# Allegro board RK_EVB1_RK3576_LP4XD200P132SD6_V12_20240530YWQ.brd (continued)
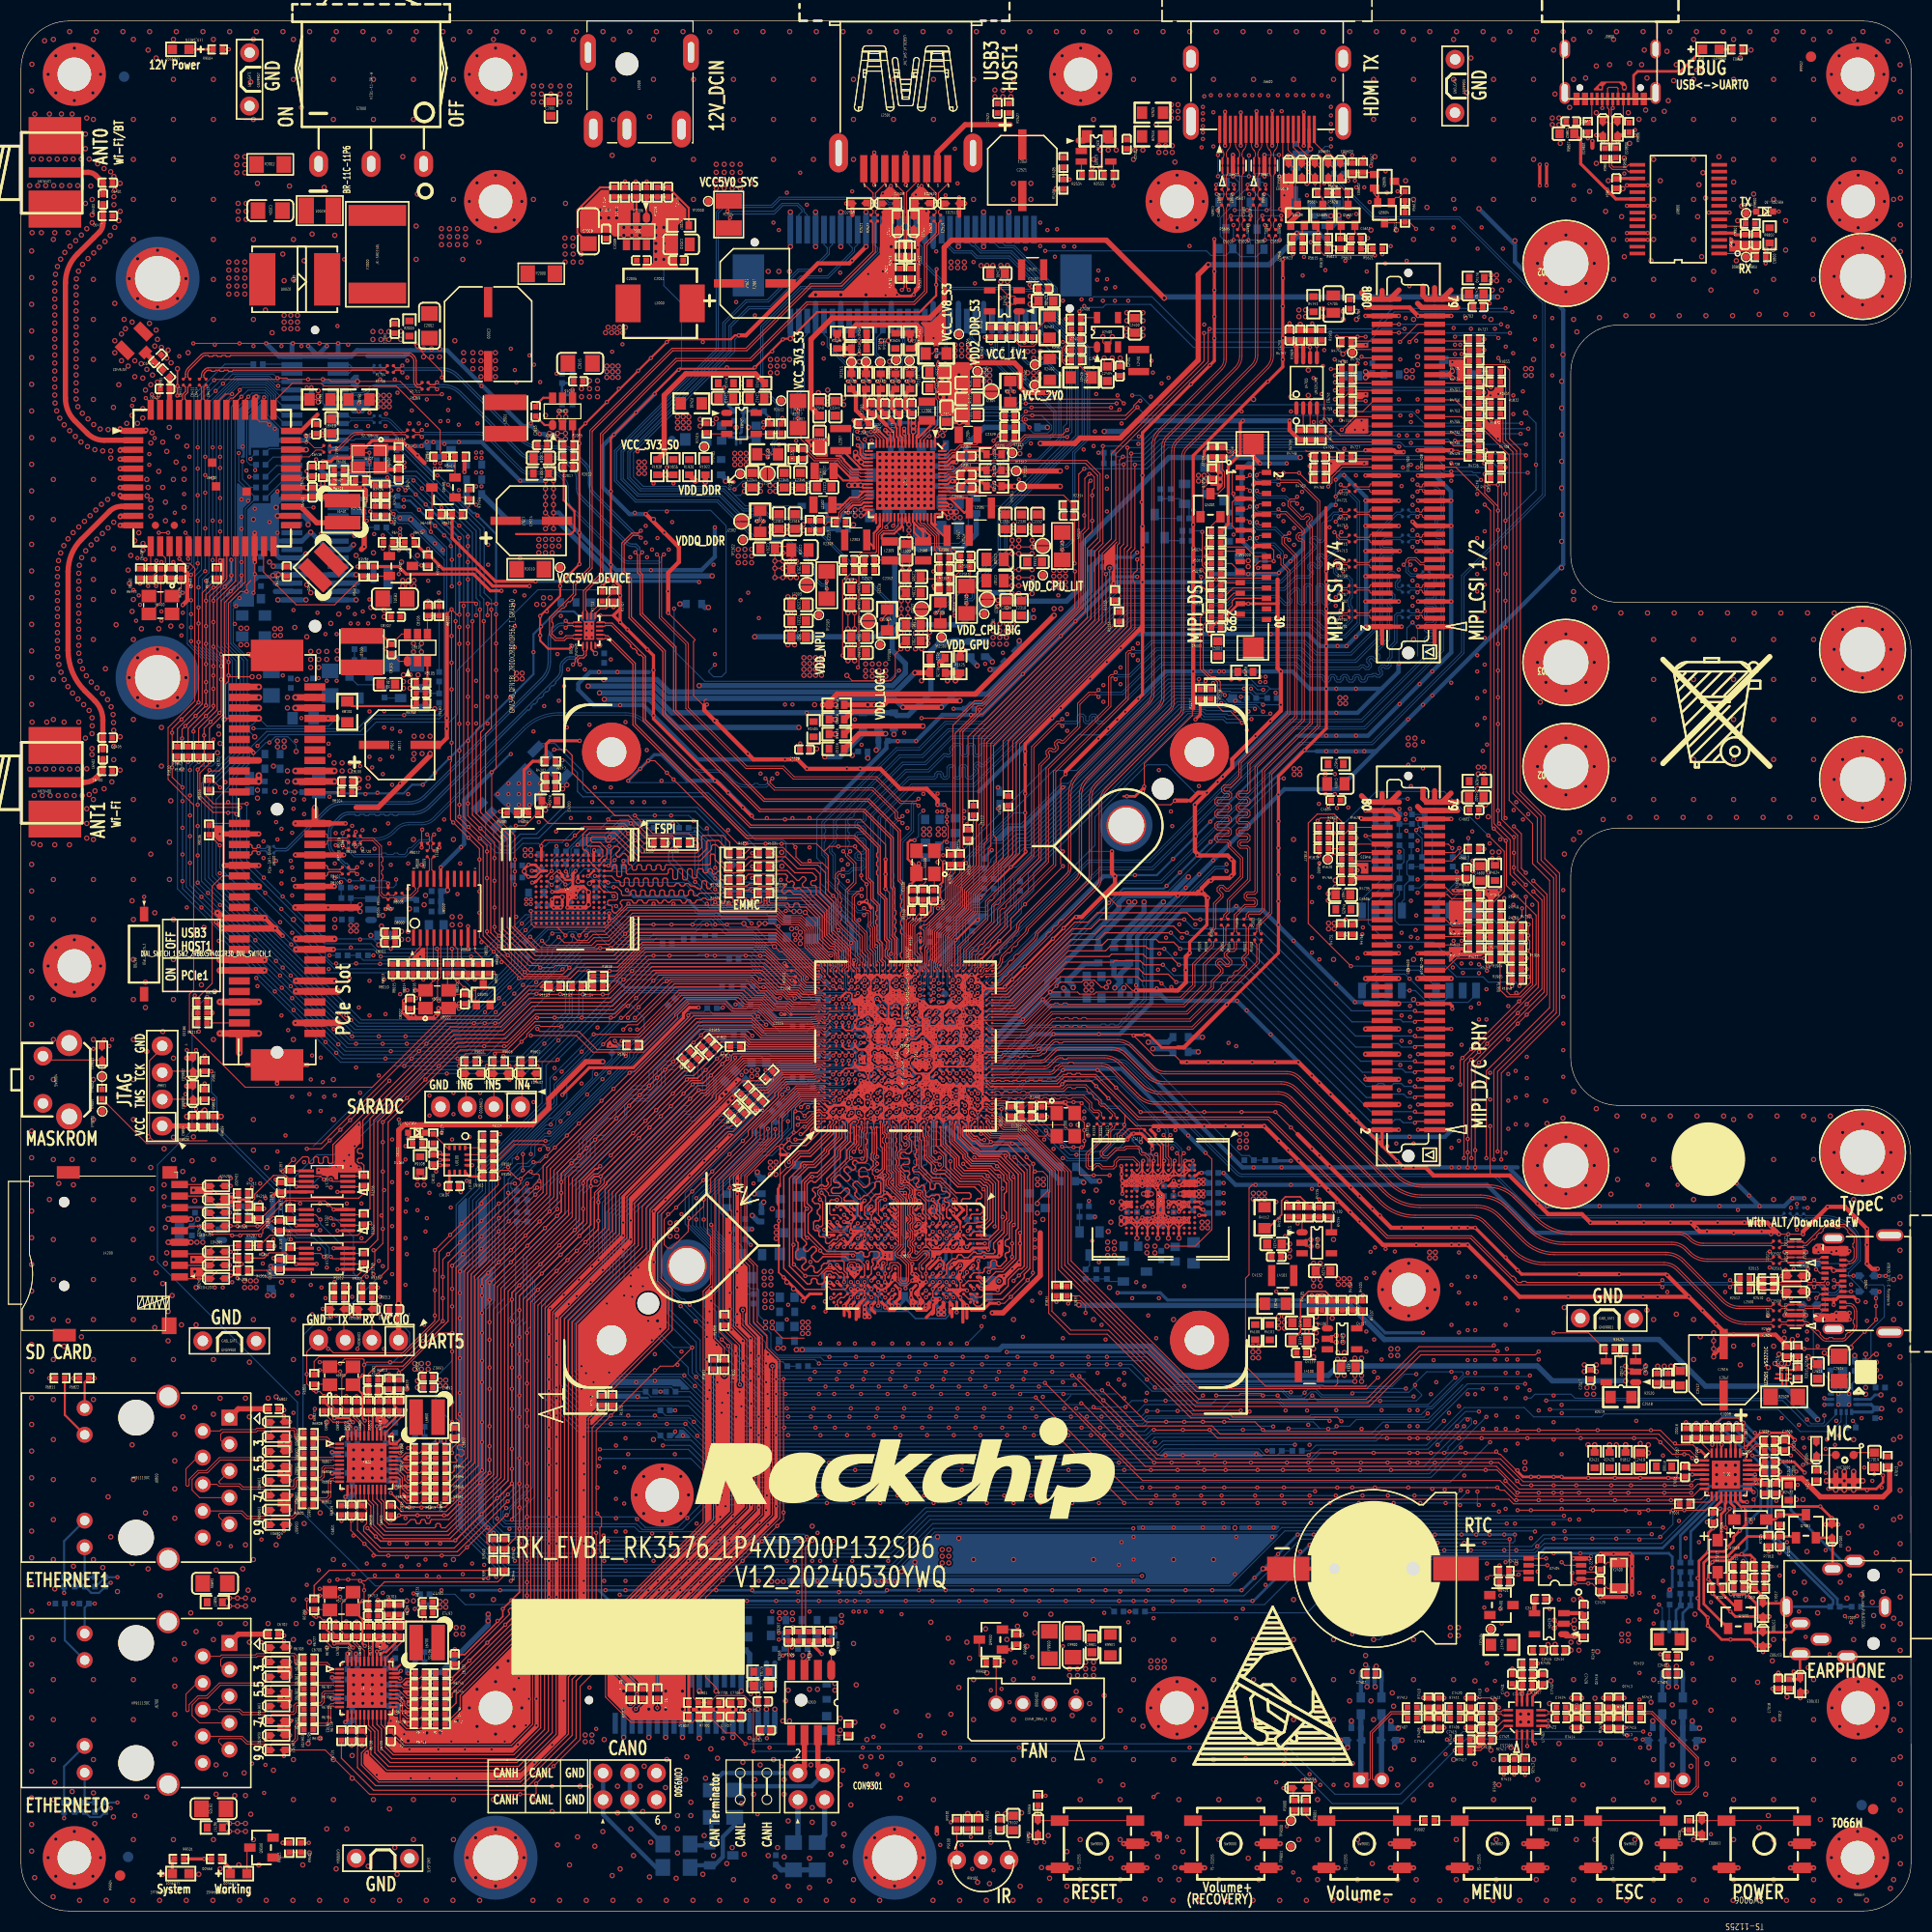
[diagram p0: board, top side]
## Copper pours and planes (outline as drawn; the poured copper is in the pictures) (continued)
VCC_3V3_S0 on BOTTOM: 48.05,97.48 48.68,97.48 48.81,97.35 48.81,95.7 48.68,95.58 48.05,95.58 47.92,95.7 47.92,97.35
VCC_3V3_S0 on BOTTOM: 24.17,59.63 23.41,59.63 23.28,59.51 23.28,58.49 23.41,58.36 24.17,58.36 24.3,58.49 24.3,59.51
VCC_3V3_S0 on BOTTOM: 76.75,27.5 77,27.25 78.27,27.25 78.4,27.38 78.4,28.27 78.27,28.39 76.88,28.39 76.75,28.27
VCC_3V3_S0 on L3-POWER: 56.81,128.98 52.49,124.66 51.6,124.66 50.4,123.45 50.4,121.8 46.4,117.8 46.4,111.26 43.92,108.78 43.92,104.47 47.06,101.32 47.06,99.58 49.06,97.58 49.06,74.87 61.25,62.68 61.25,58.36 71.92,47.7 110.28,47.7 116.75,54.17 120.94,54.17 121.71,54.94 121.71,57.35 121.14,57.92 121.14,69.41 120.69,69.86 120.69,71.7 121.07,72.08 121.07,73.67 124.06,76.65 124.06,94.05 124.12,94.05 124.37,94.31 126.28,94.31 126.53,94.05 126.53,72.97 125.01,71.45 125.01,59.13 127.17,56.97 127.17,54.43 126.53,53.79 126.53,49.98 126.66,49.86 130.98,49.86 135.87,54.74 135.87,60.08 133.77,62.17 133.77,62.94 134.15,63.32 135.93,63.32 136.95,62.3 137.33,62.3 139.74,59.89 139.74,49.35 144.44,44.65 150.03,44.65 150.15,44.52 150.15,43 148.76,41.6 143.68,41.6 143.55,41.47 80.94,41.47 78.65,39.19 78.65,27.5 78.4,27.25 74.97,27.25 74.72,27.5 74.72,30.42 74.34,30.81 71.67,30.81 70.91,31.57 70.91,35.76 37.51,69.16 37.51,96.85 36.87,97.48 36.87,113.1 36.93,113.16 36.93,118.5 37.12,118.69 37.12,118.94 46.9,128.72 50.71,128.72 51.73,129.74 51.73,137.36 54.27,139.9 54.27,146.88 54.78,147.39 59.48,147.39 62.52,144.34 63.54,144.34 63.92,143.96 63.92,139.64 62.78,138.5 58.59,138.5 56.81,136.72
VCC_3V3_S0 on L3-POWER: 24.68,152.22 29.38,152.22 29.63,151.96 29.63,144.09 29,143.45 23.41,143.45 19.98,140.03 19.98,124.53 21.63,122.88 21.63,120.47 21.5,120.34 20.49,120.34 20.23,120.09 20.23,111.58 19.34,110.69 19.34,59.89 20.36,58.87 24.3,58.87 24.42,58.75 24.42,54.81 26.33,52.9 38.78,52.9 39.03,52.65 39.03,51.25 38.65,50.87 37.38,50.87 36.24,49.73 23.66,49.73 14.9,58.49 14.9,114.75 15.92,115.77 15.92,119.32 15.03,120.21 15.03,138.37 16.04,139.39 16.04,139.64 18.46,142.06 18.46,143.45 24.49,149.49 24.49,152.03
VCC_3V3_S0 on L4-SIG: 36.36,52.52 36.24,52.4 36.24,49.35 37.38,48.2 37.38,45.98 38.39,44.97 38.39,38.3 39.28,37.41 39.28,26.23 39.54,25.98 43.73,25.98 43.86,26.11 43.86,40.08 43.54,40.39 43.54,48.39 39.41,52.52
VCC_3V3_S0 on L4-SIG: 134.91,61.92 133.39,61.92 133.07,62.24 133.07,73.79 133.64,74.37 133.64,108.15 133.77,108.28 133.77,125.29 134.79,126.31 134.79,142.82 131.61,145.99 131.61,146.88 131.74,147.01 132.63,147.01 135.93,143.71 135.93,76.14 135.04,75.26 135.04,62.05
VCC_3V3_S0_P on TOP: 64.56,142.57 66.21,142.57 66.46,142.31 67.48,142.31 67.73,142.57 67.73,142.82 67.1,143.45 67.1,144.34 66.84,144.6 64.43,144.6 64.43,144.47 64.3,144.34 64.3,142.82
VCC_3V3_S3 on TOP: 32.68,143.33 32.55,143.45 32.55,144.47 32.68,144.6 35.22,144.6 35.35,144.47 35.35,143.2 35.09,142.95 33.95,142.95 33.57,143.33
VCC_3V3_S3 on TOP: 71.03,142.44 70.91,142.31 69.51,142.31 69.38,142.44 69.38,143.33 69.51,143.45 69.89,143.45 70.27,143.84 70.27,147.01 71.29,148.03 74.59,148.03 74.84,147.77 74.84,143.2 74.72,143.07 73.7,143.07 73.07,142.44
VCC_3V3_S3 on BOTTOM: 108.37,135.07 111.04,135.07 111.93,135.96 113.07,135.96 113.2,136.09 113.2,137.99 113.07,138.12 109.51,138.12 101.39,129.99 101.39,128.98 101.51,128.85 102.15,128.85 106.47,133.17 107.1,133.17 107.99,134.06 107.99,134.69
VCC_3V3_S3 on BOTTOM: 22.52,120.85 24.68,120.85 25.06,121.23 25.06,122.25 24.81,122.5 22.65,122.5 22.52,122.37
VCC_3V3_S3 on BOTTOM: 25.19,109.67 25.44,109.93 25.44,111.45 25.19,111.7 24.17,111.7 24.04,111.58 24.04,109.8 24.17,109.67
VCC_3V3_S3 on BOTTOM: 22.52,64.33 21.38,64.33 21.25,64.21 21.25,60.65 21,60.4 21,59.25 21.25,59 22.52,59 22.65,59.13 22.65,64.21
VCC_3V3_S3 on L3-POWER: 67.48,7.69 80.94,7.69 81.57,8.33 85.38,8.33 86.02,7.69 163.74,7.69 166.28,10.23 166.28,29.15 177.97,40.84 177.97,47.82 177.59,48.2 174.79,48.2 174.67,48.08 174.67,45.79 161.46,32.58 161.46,14.17 158.79,11.5 73.83,11.5 73.32,12.01 68.24,12.01 63.16,17.09 53.63,17.09 53.38,16.84 53.38,14.68 53.63,14.42 60.75,14.42
VCC_3V3_S3 on L3-POWER: 62.78,144.47 59.6,147.65 54.65,147.65 54.52,147.77 54.52,150.44 56.3,152.22 62.91,152.22 66.08,149.04 72.81,149.04 73.45,148.41 73.45,144.72 73.19,144.47
VCC_3V3_S3 on L3-POWER: 23.66,59.13 23.79,59.25 23.79,64.21 23.92,64.33 23.92,94.69 23.85,94.75 25.31,96.21 25.31,125.55 23.41,127.45 23.41,131.39 24.04,132.02 24.04,140.03 24.74,140.72 28.17,140.72 28.23,140.79 34.97,140.79 35.6,141.42 35.6,144.22 34.97,144.85 30.77,144.85 29.25,143.33 23.54,143.33 20.23,140.03 20.23,124.66 21.88,123.01 21.88,120.34 21.76,120.21 20.49,120.21 20.23,119.96 20.23,111.32 19.34,110.43 19.34,59.89 20.11,59.13
VCC_3V3_S3 on L4-SIG: 75.48,165.04 98.97,165.04 99.55,164.47 102.97,164.47 103.67,163.77 103.67,160.35 114.34,149.68 114.34,137.23 114.21,137.23 113.83,136.85 113.83,135.96 113.45,135.58 111.17,135.58 110.91,135.83 110.91,145.61 107.36,149.17 107.36,152.47 106.47,153.36 106.47,154 98.85,161.62 69,161.62 57.44,150.06 38.39,150.06 35.98,147.65 35.98,145.49 35.47,144.98 35.47,143.07 32.04,143.07 31.54,143.58 31.54,150.69 35.73,154.88 58.33,154.88 60.24,156.79 61.25,156.79 61.89,157.42 61.89,162.12 65.32,165.55 65.32,166.31 66.46,167.46 73.07,167.46
VCC_3V3_S3 on L4-SIG: 20.87,60.02 20.87,58.36 26.58,52.65 39.28,52.65 43.73,48.2 43.73,47.82 51.22,40.33 51.22,14.42 51.6,14.04 54.14,14.04 55.16,15.06 55.16,23.95 54.52,24.58 54.52,38.81 37.32,56.01 27.54,56.01 23.28,60.27 21.12,60.27
VCC_3V3_S3 on L4-SIG: 177.52,47.51 177.21,47.19 176.19,47.19 174.67,48.71 174.67,51.38 174.41,51.63 174.41,53.03 174.54,53.16 175.17,53.16 175.3,53.03 175.3,52.27 176.51,51.06 176.51,48.65 176.95,48.2 177.21,48.2 177.52,47.89
VCC_3V3_S3_P on TOP: 167.17,159.2 167.05,159.33 166.03,159.33 165.78,159.08 165.78,158.19 165.9,158.06 167.05,158.06 167.17,158.19
VCC_3V3_S3_P on TOP: 78.91,141.93 78.91,141.68 79.16,141.42 79.16,140.91 79.03,140.79 76.88,140.79 76.49,140.41 73.19,140.41 73.07,140.53 73.07,141.8 73.19,141.93 74.21,141.93 74.34,142.06 74.34,142.44 74.72,142.82 78.02,142.82
VCC_CAN on TOP: 74.21,22.04 74.97,22.04 74.97,23.95 75.22,24.2 75.22,24.46 74.97,24.71 74.46,24.71 74.21,24.46
VCC_CAN on BOTTOM: 74.34,24.07 75.35,24.07 76.75,25.47 77.51,25.47 77.89,25.85 77.89,26.61 76.75,26.61 76.49,26.87 76.49,27.88 76.24,28.14 75.48,28.14 75.35,28.01 75.35,25.73 74.97,25.34 74.59,25.34 74.59,24.58 74.46,24.46 74.34,24.46
VCC_IR on TOP: 95.16,4.14 94.66,3.63 93.77,3.63 93.13,4.26 93.13,6.55 92.62,7.06 91.23,7.06 90.85,7.44 90.85,8.07 95.04,8.07 95.16,7.95
VCC_RTC on TOP: 143.93,31.82 143.04,31.82 142.92,31.69 141.52,31.69 141.39,31.57 141.39,28.77 141.52,28.65 142.66,28.65 142.79,28.77 142.79,29.92 144.06,31.19 144.06,31.69
VCC_SPK_AMP on TOP: 128.69,23.31 128.69,23 128.7,23 128.7,22.24 128.69,22.24 128.69,21.28 128.95,21.03 129.45,21.03 129.83,21.41 129.83,23.31 129.58,23.57 128.95,23.57
VCC_SPK_AMP on TOP: 158.41,21.03 157.52,21.03 157.39,21.15 157.39,22.24 157.4,22.24 157.4,23 157.39,23 157.39,23.85 157.4,23.86 157.4,26.61 157.52,26.73 157.52,26.74 158.41,26.74 158.66,26.49 158.66,21.28
VCC_SPK_AMP on L3-POWER: 129.96,21.03 128.76,21.03 128.56,21.22 128.56,23.95 128.82,24.2 157.65,24.2 158.03,23.82 158.03,21.15 157.65,20.77 155.23,20.77 153.58,22.42 131.36,22.42
VCC_UFS_S0 on TOP: 121.45,55.19 119.67,55.19 119.55,55.32 119.55,58.36 119.67,58.49 121.45,58.49 121.58,58.36 121.58,55.32
VCC_UFS_S0 on BOTTOM: 104.43,66.87 104.43,67.64 104.56,67.76 107.86,67.76 108.12,67.51 109.9,67.51 110,67.61 110.06,67.62 110.11,67.64 110.4,67.64 110.53,67.51 110.53,66.49 110.4,66.37 109.43,66.37 109.35,66.39 109.28,66.4 109.21,66.39 109.13,66.37 107.93,66.37 107.85,66.39 107.78,66.4 107.71,66.39 107.63,66.37 106.93,66.37 106.85,66.39 106.78,66.4 106.71,66.39 106.63,66.37 106.47,66.37 106.34,66.24 105.91,66.24 105.72,66.24 105.2,66.24 104.82,66.62 104.69,66.62
VCC_UFS_S0 on L3-POWER: 104.31,67.38 104.31,64.97 107.86,61.41 109.64,61.41 116.12,54.94 120.18,54.94 120.56,55.32 120.56,56.84 113.01,64.4 112.37,64.4 110.53,66.24 110.53,67.64 110.4,67.76 104.69,67.76
VCCA1V8_PLDO6_S3 on TOP: 87.04,119.58 87.04,117.8 86.91,117.67 84.88,117.67 84.88,118.05 85,118.18 85.89,118.18 86.15,118.44 86.15,119.58 86.27,119.71 86.91,119.71
VCCA1V8_PLDO6_S3 on BOTTOM: 72.56,54.68 71.92,54.68 71.8,54.55 71.8,53.67 72.18,53.28 72.68,53.28 72.81,53.41 72.81,53.79 72.68,53.92 72.68,54.55
VCCA3V3_CODEC on TOP: 167.43,40.46 167.68,40.2 168.7,40.2 168.82,40.33 168.82,40.71 168.7,40.84 167.68,40.84 167.3,41.22 165.65,41.22 165.52,41.35 165.14,41.35 165.01,41.22 165.01,40.58 165.14,40.46
VCCA_1V8_S0 on TOP: 93,136.7 93,137.36 93.26,137.61 99.1,137.61 99.35,137.36 99.35,136.98 98.97,136.6 93.11,136.6
VCCA_1V8_S0 on BOTTOM: 87.04,119.71 87.8,120.47 92.12,120.47 92.24,120.59 92.24,122.63 92.5,122.88 94.66,122.88 94.78,123.01 94.78,123.64 94.66,123.77 93.64,123.77 93.51,123.9 93.51,124.91 93.26,125.17 92.62,125.17 89.58,122.12 88.05,122.12 86.27,120.34 86.27,116.78 83.92,114.43 83.54,114.43 83.48,114.5 78.27,114.5 78.15,114.37 78.15,113.74 78.27,113.61 83.23,113.61 83.73,113.1 84.37,113.1 87.04,115.77
VCCA_1V8_S0 on L4-SIG: 93.39,133.55 94.27,134.44 94.27,137.49 93.89,137.87 93.26,137.87 93.13,137.74 93.13,136.72 93,136.6 92.5,136.6 92.12,136.22 92.12,134.44 91.35,133.68 91.35,125.55 91.42,125.48 91.42,124.34 91.8,123.96 93.2,123.96 93.39,124.15
VCCA_1V8_S0_P on TOP: 92.36,136.86 92.19,136.7 91.58,136.7 91.38,136.89 91.38,136.9 91.29,137.05 91.15,137.14 89.99,137.14 89.83,136.98 89.83,136.47 89.19,136.47 89.19,136.98 89.96,137.74 92.12,137.74 92.36,137.5
VCCA_3V3_S0 on TOP: 167.93,39.57 167.81,39.44 167.81,38.93 167.93,38.81 169.84,38.81 169.97,38.93 169.97,39.44 169.84,39.57
VCCIO0_1V8 on L4-SIG: 81.7,86.81 81.7,87.07 81.45,87.32 81.45,90.24 80.05,91.64 80.05,92.53 79.99,92.59 79.99,93.23 78.91,94.31 78.91,96.21 78.4,96.72 78.27,96.72 78.27,94.18 79.29,93.16 79.29,91.51 80.94,89.86 80.94,87.32 81.45,86.81
VCCIO1 on L4-SIG: 79.54,83.13 79.67,83 80.05,83 80.18,83.13 80.18,83.76 80.05,83.89 73.57,83.89 73.07,84.4 72.56,84.4 72.56,84.15 73.57,83.13
VCCIO2 on TOP: 153.2,44.65 152.57,44.65 152.44,44.52 152.44,43.25 153.2,43.25 153.33,43.38 153.33,44.52
VCCIO2 on TOP: 66.59,30.55 66.59,27.38 66.84,27.12 67.48,27.12 67.86,27.5 67.86,29.92 74.84,36.9 74.84,53.67 74.72,53.79 73.57,53.79 73.45,53.67 73.45,37.41
VCCIO2 on BOTTOM: 63.29,27.38 63.29,27.12 63.41,27 68.11,27 68.24,27.12 68.24,28.27 64.18,28.27
VCCIO2 on L4-SIG: 80.05,79.45 80.05,79.83 79.54,80.34 73.83,80.34 72.68,79.19 72.68,78.94 72.81,78.81 73.7,78.81 74.34,79.45
VCCIO3 on BOTTOM: 43.47,135.2 43.47,134.56 46.14,131.9 51.09,131.9 56.17,126.82 65.95,126.82 66.08,126.94 66.08,127.33 65.83,127.58 56.17,127.58 50.97,132.79 46.65,132.79 44.24,135.2
VCCIO3 on L4-SIG: 80.69,85.16 80.56,85.16 80.43,85.03 80.43,84.78 80.3,84.65 80.3,84.4 80.18,84.27 76.49,84.27 74.34,86.43 71.54,86.43 71.41,86.3 71.41,85.92 73.32,84.02 76.24,84.02 76.49,83.76 80.81,83.76 81.19,84.15 81.19,84.65
VCCIO4 on L4-SIG: 80.18,82.88 80.18,82.37 80.05,82.24 73.45,82.24 73.38,82.3 72.49,82.3 69.26,85.54 66.97,85.54 66.59,85.92 66.59,92.02 66.84,92.02 67.29,91.57 67.29,89.42 73.7,83 80.05,83
VCCIO5 on L4-SIG: 80.05,81.99 77.38,81.99 77.26,82.11 72.18,82.11 69.51,84.78 69.38,84.78 68.87,85.29 66.59,85.29 65.45,86.43 64.3,86.43 64.18,86.3 64.18,85.92 65.95,84.15 68.11,84.15 70.91,81.35 80.05,81.35
VCCIO6 on L4-SIG: 91.73,79.83 91.86,79.7 97.96,79.7 98.47,80.21 98.47,80.34 88.69,80.34 88.37,80.02 88.56,79.83
VCCIO7_VCC on L4-SIG: 91.35,78.68 91.73,79.07 95.54,79.07 95.8,79.32 95.8,79.45 91.86,79.45 91.61,79.7 88.31,79.7 88.31,79.95 87.92,80.34 87.8,80.34 87.67,80.21 87.67,79.95 87.54,79.83 87.54,79.57 87.67,79.45 87.8,79.45 88.05,79.19 88.05,78.81 88.18,78.68
VCCIO_AUDIO on TOP: 156.12,41.85 156.12,42.74 155.87,43 143.17,43 143.04,42.87 143.04,42.11 143.3,41.85
VCCIO_CODEC on TOP: 156.89,41.85 159.43,41.85 159.43,42.49 159.04,42.87 156.89,42.87 156.76,42.74 156.76,41.98
VCCIO_FT232 on TOP: 162.73,159.84 163.24,159.33 165.39,159.33 165.9,159.84 166.92,159.84 167.05,159.96 167.05,160.6 166.54,161.11 165.01,161.11 164.89,160.98 164.89,160.22 164.63,159.96 162.85,159.96
VCCIO_PHY0 on BOTTOM: 37.18,24 37.84,24 37.86,23.97 37.86,23.31 37.89,23.31 37.89,23.11 37.86,23.11 37.86,22.35 37.89,22.35 37.89,22.12 37.86,22.12 37.86,21.36 37.89,21.36 37.89,21.08 37.86,21.08 37.86,20.32 37.89,20.32 37.89,20.11 37.86,20.11 37.86,19.35 37.89,19.35 37.89,19.15 37.86,19.15 37.86,18.39 37.89,18.39 37.89,18.18 37.86,18.18 37.86,17.45 37.76,17.34 36.36,17.34 35.06,16.04 34.98,15.98 34.91,15.9 34.46,15.44 32.3,15.44 32.17,15.57 32.17,15.82 32.43,16.07 34.08,16.07 36.36,18.36 36.36,18.94 36.38,19 36.38,19.06 36.38,19.16 36.4,19.21 36.4,19.25 36.4,19.8 36.39,19.86 36.37,19.91 36.36,19.92 36.36,20.01 36.24,20.14 35.6,20.14 35.6,22.04 35.85,22.3 36.75,22.3 36.81,22.28 36.87,22.28 37.12,22.38 37.22,22.63 37.2,22.76 37.12,22.87 37.12,23.95
VCCIO_PHY1 on BOTTOM: 37.18,45.46 37.84,45.46 37.86,45.44 37.86,44.77 37.89,44.77 37.89,44.57 37.86,44.57 37.86,43.81 37.89,43.81 37.89,43.59 37.86,43.59 37.86,42.82 37.89,42.82 37.89,42.54 37.86,42.54 37.86,41.78 37.89,41.78 37.89,41.58 37.86,41.58 37.86,40.81 37.89,40.81 37.89,40.61 37.86,40.61 37.86,39.85 37.89,39.85 37.89,39.65 37.86,39.65 37.86,38.91 37.76,38.81 36.24,38.81 34.33,36.9 32.3,36.9 32.17,37.03 32.17,37.28 32.43,37.54 34.08,37.54 36.36,39.82 36.36,40.4 36.38,40.47 36.38,40.53 36.38,40.62 36.4,40.67 36.4,40.72 36.4,41.27 36.39,41.32 36.37,41.37 36.36,41.39 36.36,41.47 36.24,41.6 35.6,41.6 35.6,43.51 35.85,43.76 36.75,43.76 36.81,43.74 36.87,43.74 37.12,43.84 37.22,44.09 37.2,44.22 37.12,44.34 37.12,45.41
VCCIO_SD_S0 on TOP: 94.45,139.44 95.37,139.44 95.54,139.26 95.54,138.37 94.91,138.37 94.88,138.35 93.03,138.35 93,138.37 93,138.37 93,139.01 93.26,139.26 94.27,139.26
VCCIO_SD_S0 on BOTTOM: 76.24,21.92 76.37,22.04 77.64,22.04 77.89,21.79 77.89,21.03 77.64,20.77 76.62,20.77 76.24,21.15
VCCIO_SD_S0 on L3-POWER: 68.49,26.36 48.68,46.17 48.68,48.71 39.28,58.11 34.84,58.11 34.58,57.86 34.58,54.17 35.35,53.41 39.66,53.41 43.47,49.6 43.47,46.05 67.99,21.53 75.73,21.53 76.62,20.65 77.51,20.65 77.76,20.9 77.76,24.58 75.99,26.36
VCCIO_SD_S0_P on TOP: 92.34,138.88 92.34,138.25 92.32,138.22 91.61,138.22 91.39,138.44 91.4,138.5 91.41,138.56 91.34,138.79 91.15,138.94 91.14,138.95 91.07,139.01 90.87,139.01 90.81,139.04 90.76,139.04 90.21,139.04 90.16,139.04 90.1,139.01 90.06,139.01 89.99,138.94 89.91,138.94 89.91,138.86 89.8,138.76 89.8,138.25 89.51,138.25 89.47,138.29 89.42,138.33 88.73,138.33 88.69,138.37 88.69,138.5 89.58,139.39 91.84,139.39
VCCIO_WL on TOP: 33.57,136.72 35.35,136.72 35.6,136.98 36.49,136.98 36.74,137.23 36.74,138.5 36.49,138.76 35.73,138.76 34.97,137.99 33.7,137.99 33.57,137.87
VCCIO_WL on BOTTOM: 23.54,129.36 24.68,128.21 24.68,127.96 24.55,127.83 24.04,127.83 23.66,127.45 22.65,127.45 22.52,127.58 22.52,129.23 22.65,129.36
VCCIO_WL on BOTTOM: 40.17,138.76 38.52,138.76 38.39,138.63 38.39,138.12 39.41,137.1 40.05,137.1 41.95,135.2 41.95,134.69 42.08,134.56 42.71,134.56 42.84,134.69 42.84,138.12 42.71,138.25 40.68,138.25
VCCIO_WL on L3-POWER: 26.96,139.39 28.23,139.39 28.36,139.26 28.36,138.63 28.49,138.5 34.33,138.5 35.35,139.52 39.79,139.52 40.3,139.01 40.3,137.36 36.49,133.55 33.95,133.55 33.57,133.93 31.03,133.93 24.81,127.71 23.66,127.71 23.41,127.96 23.41,131.14 26.65,134.37 26.65,137.29 26.84,137.49 26.84,139.26
VDD1_1V8_DDR_S3 on BOTTOM: 75.22,56.21 75.1,56.33 74.59,56.33 74.21,56.71 74.21,57.35 74.08,57.48 73.32,57.48 73.32,54.05 73.45,53.92 74.59,53.92 75.22,54.55
VDD1_1V8_DDR_S3 on L3-POWER: 87.42,63.6 86.69,63.6 86.44,63.35 86.44,62.39 86.91,61.92 89.83,61.92 90.72,61.03 90.72,60.52 91.42,59.82 91.42,57.92 90.08,56.59 87.29,56.59 86.65,57.22 86.65,57.8 86.44,58.02 85.35,58.02 85.31,57.98 85.26,57.98 85.13,58.11 85.13,59.25 84.37,60.02 84.37,64.59 84.91,65.13 85.67,65.13 86.4,65.86 86.65,65.86 86.78,65.98 87.04,65.98 87.29,66.24 87.29,67.25 87.42,67.38 88,67.38 88.18,67.2 88.18,66.75 88.43,66.49 88.56,66.49 88.69,66.37 88.69,64.33 88.2,63.84 87.65,63.84
VDD1_1V8_DDR_S3 on L3-POWER: 80.22,63.48 80.22,61.5 80.43,61.29 81.7,61.29 82.12,60.86 82.12,57.98 81.83,57.69 81.83,57.35 80.56,56.08 76.88,56.08 76.11,56.84 76.11,59.13 76.49,59.51 77,59.51 77.26,59.76 77.26,60.14 77.38,60.27 77.38,60.78 77.13,61.03 76.75,61.03 75.73,62.05 75.73,63.19 76.37,63.83 77,63.83 77.26,64.08 77.26,65.73 78.53,67 78.53,67.13 78.91,67.51 81.19,67.51 81.45,67.25 81.45,66.24 80.94,65.73 80.94,65.48 81.45,64.97 81.45,64.71 81.6,64.56 81.73,64.56 81.96,64.33 81.96,63.95 81.83,63.83 81.32,63.83 81.07,63.57 80.31,63.57
VDD1_1V8_DDR_S3 on L4-SIG: 79.96,57.13 79.96,57.51 80.22,57.76 80.3,57.76 81.35,56.71 86.27,56.71 87.04,57.48 88.18,57.48 88.18,55.7 87.16,54.68 74.21,54.68 74.08,54.81 74.08,56.21 74.21,56.33 79.17,56.33
VDD2_DDR_S3 on TOP: 94.39,147.15 94.78,146.76 94.78,145.23 93.64,145.23 93.26,144.85 90.82,144.85 90.58,145.09 90.58,146.63 91.1,147.15
VDD2_DDR_S3 on BOTTOM: 83.46,59.27 83.61,59.41 84.79,59.41 85.17,59.03 85.17,57.64 85.04,57.51 84.75,57.51 84.53,57.73 84.08,57.73 83.86,57.51 83.61,57.51 83.46,57.65
VDD2_DDR_S3 on BOTTOM: 87.71,62.08 87.71,63.35 87.58,63.48 86.82,63.48 86.69,63.35 86.69,63.1 86.82,62.97 86.82,62.46 87.33,61.95 87.58,61.95
VDD2_DDR_S3 on BOTTOM: 81.96,63.19 81.74,62.97 81.49,62.97 81.36,63.1 81.36,63.35 81.49,63.48 81.49,63.73 81.36,63.86 81.32,63.86 81.32,64.33 80.94,64.33 80.81,64.21 80.81,63.44 80.47,63.1 80.47,61.96 80.43,61.92 80.43,61.41 80.69,61.16 80.81,61.16 81.19,61.54 82.21,61.54 82.34,61.67 82.34,61.79 81.96,62.17 81.96,62.43 82.59,63.06 82.59,63.32 82.46,63.44 82.21,63.44 81.96,63.19
VDD2_DDR_S3 on BOTTOM: 69.17,59.89 69.17,61.07 69.26,61.16 71.54,61.16 71.8,60.9 71.8,59.51 71.67,59.38 70.4,59.38 70.14,59.63 69.42,59.63
VDD2_DDR_S3 on L3-POWER: 72.56,55.19 72.56,58.49 71.8,59.25 69.13,59.25 69,59.38 69,68.14 69.38,68.52 73.95,68.52 75.35,69.92 77,69.92 78.15,71.06 85.36,71.06 85.37,71.05 90.1,71.05 92.5,68.65 98.02,68.65 103.16,73.79 104.18,73.79 112.44,82.05 112.44,95.83 115.23,98.62 115.23,129.99 109.64,135.58 97.2,135.58 93.45,139.33 93.45,140.6 91.48,142.57 91.48,146.88 91.61,147.01 94.27,147.01 99.1,142.18 119.93,142.18 123.23,138.88 123.23,120.85 122.21,119.83 122.21,96.72 119.17,93.67 119.17,79.95 112.31,73.1 109.77,73.1 109.26,72.59 109.26,72.08 107.29,70.11 107.17,70.11 106.97,69.92 106.85,69.92 105.45,68.52 104.56,68.52 103.67,67.64 103.67,66.11 91.73,54.17 73.57,54.17
VDD2_DDR_S3_P on TOP: 90.57,141.8 90.57,144.47 90.69,144.6 93.26,144.6 93.64,144.22 94.78,144.22 94.91,144.09 94.91,143.2 94.78,143.07 94.27,143.07 94.02,142.82 94.02,141.17 93.89,141.04 93.14,141.04 91.87,139.77 90.72,139.77 90.59,139.9 90.59,141.78
VDD2_LP4_S0 on BOTTOM: 70.02,62.94 70.02,62.05 70.14,61.92 72.68,61.92 72.81,62.05 72.81,63.19 72.56,63.44 70.53,63.44
VDD10_PHY0 on TOP: 40.55,23.95 40.3,23.69 39.28,23.69 38.99,23.98 38.99,29.63 39.16,29.79 40.55,29.79 40.74,29.6 40.74,28.71 40.55,28.52
VDD10_PHY0 on L3-POWER: 36.24,18.61 35.47,18.61 35.22,18.87 35.22,23.31 40.05,28.14 40.05,28.27 39.79,28.27 34.58,23.06 31.16,23.06 31.03,22.93 31.03,19.25 30.9,19.12 29.63,19.12 29.12,19.63 29.12,23.95 31.03,25.85 34.58,25.85 38.52,29.79 40.68,29.79 41.44,29.03 41.44,27.88 36.62,23.06 36.62,18.99
VDD10_PHY1 on TOP: 40.55,45.41 40.43,45.28 39.16,45.28 38.99,45.45 38.99,51.09 39.16,51.25 40.17,51.25 40.81,50.62 40.81,49.73 40.55,49.47
VDD10_PHY1 on L3-POWER: 36.24,40.08 35.47,40.08 35.22,40.33 35.22,44.78 40.05,49.6 40.05,49.73 39.79,49.73 34.58,44.52 31.28,44.52 31.03,44.27 31.03,40.71 30.9,40.58 29.76,40.58 29.12,41.22 29.12,45.41 31.54,47.82 35.47,47.82 37.12,49.47 37.89,49.47 39.66,51.25 40.68,51.25 41.44,50.49 41.44,49.35 36.62,44.52 36.62,40.46
VDD_0V75_S3 on TOP: 79.42,146.12 78.65,146.12 78.65,148.41 78.53,148.53 77.38,148.53 77.26,148.66 77.26,149.17 77.38,149.3 79.42,149.3 79.54,149.17 79.54,146.25
VDD_0V75_S3_P on TOP: 78.76,144.98 79.01,145.23 79.52,145.23 79.64,145.11 79.64,143.33 79.7,143.28 79.7,143.24 80.53,142.4 80.53,142.36 80.59,142.22 80.74,142.16 80.78,142.16 80.81,142.13 80.84,142.13 80.9,142.07 81.17,142.07 81.95,141.29 81.95,141.21 81.92,141.12 81.91,141.04 81.94,140.89 82.03,140.76 82.36,140.43 82.37,140.38 82.32,140.35 82.26,140.35 81.21,141.4 81.13,141.45 81.03,141.47 80.41,141.47 80.41,141.8 80.4,141.81 80.4,142.03 80.27,142.03 80.23,142.08 80.16,142.11 79.81,142.47 79.73,142.53 79.65,142.57 79.64,142.57 79.16,143.05 79.16,143.71 78.76,144.11
VDD_CPU_BIG_S0 on TOP: 92.62,124.79 92.62,124.02 92.88,123.77 95.8,123.77 95.8,122.25 95.42,121.86 94.78,121.86 94.24,121.32 94.24,120.63 93.96,120.34 89.83,120.34 89.25,120.92 89.25,124.2 89.32,124.28 90.34,124.28 90.85,124.79
VDD_CPU_BIG_S0 on BOTTOM: 89.45,102.18 89.58,102.31 89.58,103.07 89.32,103.32 87.16,103.32 87.04,103.2 87.04,100.91 87.8,100.91 87.8,101.93 88.05,102.18
VDD_CPU_BIG_S0 on BOTTOM: 86.58,82.17 86.65,82.24 86.91,82.24 87.04,82.37 87.04,82.62 86.66,83 86.66,83.38 86.4,83.64 86.02,83.64 85.9,83.51 85.9,83.26 85.51,82.88 84.88,82.88 84.24,82.24 84.24,82.24 84.12,82.11 84.11,82.11 83.86,81.86 83.86,81.61 83.86,81.61 84.62,81.61 84.68,81.66 85.31,81.66 85.82,82.17
VDD_CPU_BIG_S0 on L3-POWER: 91.48,82.49 86.91,82.49 86.65,82.24 86.27,82.24 85.51,81.48 85.13,81.48 84.88,81.22 83.61,81.22 83.61,81.23 83.48,81.35 83.48,81.35 83.48,82.62 83.61,82.75 84.24,82.75 84.75,83.26 84.75,85.92 85.38,86.56 85.38,89.61 86.78,91 86.78,101.54 87.16,101.93 87.16,103.7 86.78,104.08 86.78,115.26 86.85,115.32 86.85,119.71 87.04,119.9 87.04,122.63 87.16,122.63 87.29,122.75 95.67,122.75 96.31,122.12 96.31,99.39 94.77,97.85 94.77,85.78
VDD_CPU_BIG_S0_P on TOP: 92.5,125.04 90.85,125.04 90.46,125.42 89.32,125.42 89.17,125.57 89.17,126.92 89.7,127.45 89.96,127.45 90.08,127.58 90.08,129.87 89.96,129.99 89.96,132.02 92.37,132.02 92.5,131.9
VDD_CPU_LIT_S0 on TOP: 99.99,129.36 99.99,126.06 99.61,125.67 96.94,125.67 96.81,125.8 96.81,129.87 98.59,129.87 99.1,129.36
VDD_CPU_LIT_S0 on BOTTOM: 86.53,80.72 87.04,81.22 87.04,81.48 86.91,81.61 86.78,81.61 86.53,81.35 85.9,81.35 85.77,81.22 85.13,81.22 85.01,81.1 85.01,80.97 85.26,80.72 85.38,80.72 85.77,80.34 85.77,80.34 85.89,80.21 86.27,80.21 86.4,80.08 87.04,80.08 87.04,80.21
VDD_CPU_LIT_S0 on BOTTOM: 102.02,89.35 101.13,89.35 100.88,89.1 100.88,86.81 101.01,86.69 102.02,86.69 102.28,86.94 102.28,89.1
VDD_CPU_LIT_S0 on L3-POWER: 85,80.97 85,81.1 85.26,81.35 86.02,81.35 86.15,81.48 86.15,81.86 86.4,82.11 91.73,82.11 95.16,85.54 95.16,97.61 96.88,99.32 96.88,127.71 97.13,127.96 103.93,127.96 106.85,125.04 106.85,109.29 102.28,104.72 102.28,84.78 96.69,79.19 89.45,79.19 89.32,79.32 88.81,79.32 87.92,80.21 86.53,80.21 85.89,80.84 85.13,80.84
VDD_CPU_LIT_S0_P on TOP: 91.99,134.56 92.12,134.69 98.4,134.69 99.23,134.69 99.61,134.31 99.61,132.66 99.99,132.28 99.99,130.63 99.1,130.63 98.61,130.14 96.81,130.14 96.81,130.88 96.93,131 97.26,131 97.3,131 97.33,131.01 97.45,131.01 97.58,131.14 97.58,132.28 97.45,132.41 92.12,132.41 91.99,132.53
VDD_DDR_S0 on TOP: 70.91,137.87 70.91,136.47 70.78,136.34 68.24,136.34 67.73,136.85 67.73,139.14 67.99,139.39 70.53,139.39 70.65,139.26 70.65,138.12
VDD_DDR_S0 on BOTTOM: 83.73,80.14 82.77,80.14 82.39,79.76 82.46,79.69 82.46,79.58 82.59,79.45 84.62,79.45 84.63,79.45 85.01,79.45 85.12,79.56 85.12,79.83 85,79.95 84.62,79.95 84.5,79.83 83.99,79.83 83.73,80.08
VDD_DDR_S0 on BOTTOM: 97.58,69.92 96.69,69.92 95.54,68.78 95.54,67.89 98.08,67.89 98.21,68.02 98.21,68.52 97.83,68.91 97.83,69.67
VDD_DDR_S0 on L3-POWER: 85.13,77.03 85.38,77.29 85.38,79.19 85.13,79.45 82.59,79.45 82.46,79.57 82.46,79.95 82.59,80.08 82.59,80.46 82.84,80.72 82.85,80.72 83.1,80.97 84.75,80.97 85.01,80.72 85.77,80.72 86.4,80.08 87.92,80.08 88.18,79.83 88.18,78.94 88.56,78.56 97.07,78.56 102.91,84.4 102.91,104.34 107.61,109.04 107.61,125.23 103.93,128.91 99.99,128.91 99.42,128.34 89.58,128.34 88.81,129.1 88.05,129.1 87.16,128.21 86.65,128.21 86.27,127.83 85.38,127.83 84.88,128.34 83.73,128.34 83.23,127.83 75.61,127.83 73.07,130.37 71.03,130.37 66.46,134.95 66.46,137.99 67.99,139.52 71.8,139.52 72.05,139.26 73.19,139.26 75.61,136.85 75.61,134.31 79.54,130.37 85.13,130.37 86.91,132.15 90.59,132.15 93.77,135.33 109.51,135.33 115.1,129.74 115.1,101.16 114.53,100.59 114.53,98.31 112.18,95.96 112.18,82.18 104.05,74.05 103.16,74.05 97.96,68.84 92.56,68.84 90.08,71.32 85.38,71.32 85.13,71.57
VDD_DDR_S0_P on TOP: 72.68,139.26 72.94,139.01 72.94,138.76 73.07,138.63 74.68,138.63 75.33,137.98 75.88,137.98 75.99,137.87 75.99,137.74 75.98,137.74 75.98,136.49 75.86,136.37 75.55,136.37 75.55,136.34 75.21,136.34 75.13,136.37 75.05,136.38 74.96,136.37 74.88,136.34 74.65,136.34 74.57,136.37 74.49,136.38 74.4,136.37 74.32,136.34 71.41,136.34 71.29,136.47 71.29,137.87 71.54,138.12 71.54,139.14 71.67,139.26
VDD_GPU_S0 on TOP: 85.13,123.82 86.6,123.82 86.65,123.77 86.65,123.52 87.04,123.13 88.43,123.13 88.94,122.63 88.94,120.34 88.56,119.96 85.13,119.96 85,120.09 85,123.69
VDD_GPU_S0 on BOTTOM: 80.88,80.9 81.25,80.9 81.5,80.65 82.52,80.65 82.72,80.84 82.72,81.1 81.96,81.85 81.32,81.85 80.69,81.22 80.69,81.1 80.69,81.1
VDD_GPU_S0 on BOTTOM: 70.4,80.21 70.4,79.57 69.26,78.43 69,78.43 67.48,79.95 68.62,81.1 69,81.1 69.13,81.22 70.02,81.22 70.14,81.1 70.14,80.46
VDD_GPU_S0 on L3-POWER: 68.37,79.32 68.37,79.83 67.48,80.72 67.48,80.97 65.95,82.49 65.95,122.5 68.11,124.66 68.75,124.66 68.87,124.79 69.51,124.79 71.54,126.82 86.65,126.82 86.65,125.67 86.78,125.55 86.78,119.96 86.53,119.71 78.78,119.71 78.4,120.09 78.02,120.09 77.76,120.34 74.21,120.34 72.81,118.94 72.81,103.58 73.07,103.32 73.07,95.83 72.81,95.58 72.81,90.11 72.68,89.99 72.68,85.92 76.62,81.99 80.69,81.99 80.88,82.18 81.01,82.18 81.07,82.24 82.85,82.24 83.1,81.99 83.1,81.73 83.1,81.73 83.1,81.1 82.72,80.72 82.59,80.72 82.34,80.46 82.34,79.57 82.08,79.32 81.83,79.32 81.45,78.94 81.45,77.67 81.07,77.29 81.07,75.26 80.3,74.49 75.22,74.49 72.56,77.16 70.53,77.16
VDD_GPU_S0_P on TOP: 85.13,124.15 85.11,124.18 85.11,128.98 85.21,129.08 86.68,129.08 86.78,128.98 86.78,126.2 86.65,126.07 86.61,125.9 86.65,125.72 86.78,125.59 86.78,125.42 86.91,125.29 88.31,125.29 88.43,125.17 88.43,124.28 88.31,124.15